# KiCad board rabbit_mask_capacitors_right.kicad_pcb (continued)
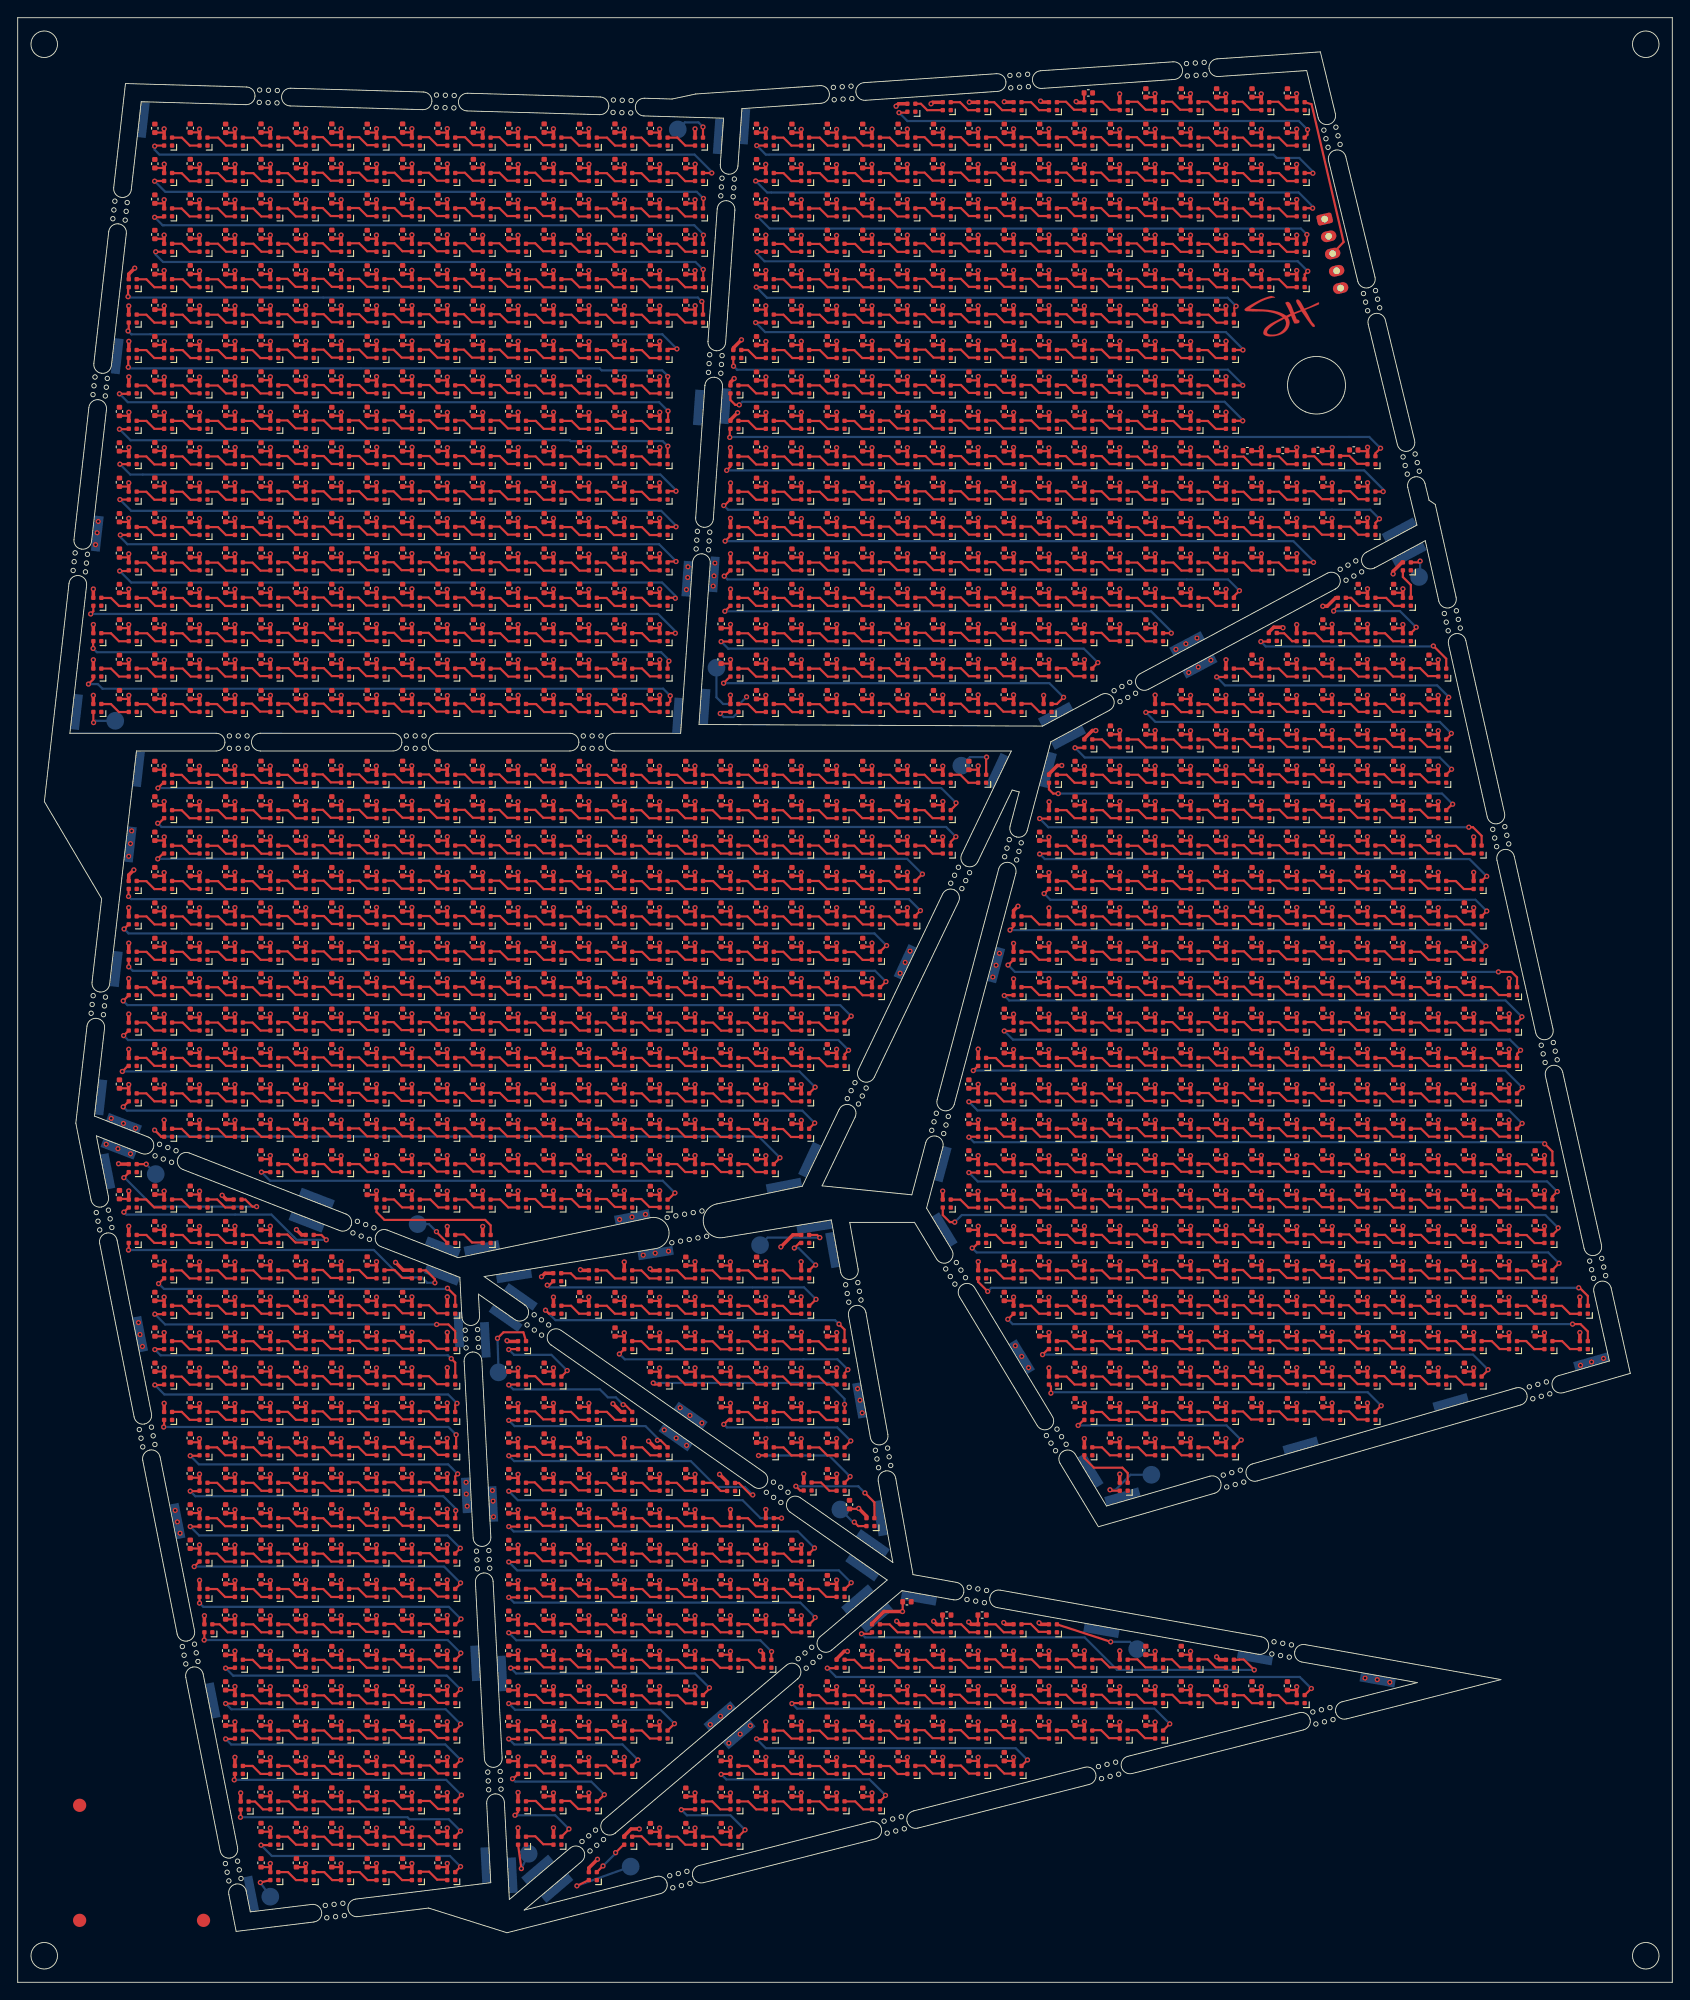
[diagram p0: board, top side]
## Routing (per net, layer and track width the routed paths; a pad name or vN(x,y) marks a point on that pad's centre or on a via; arc(x,y) is an arc through that point) (continued)
/right_side/9_IN: length 18.6
  Top w0.25: D1496.1 146.23,212.22 146.4,211.5 149.85,196.65 J1486.3
/right_side/9_OUT: length 5.2
  Bottom w0.25: TP1486.1 78.98,145.2 79.73,144.45 D1625.3
/right_side/10_IN: length 4.6
  Top w0.25: D1512.1 v1(77.45,209.65)
  Bottom w0.25: TP1493.1 75.4,210.18 76.93,210.18 v1(77.45,209.65)
/right_side/10_OUT: length 3.7
  Top w0.25: v1(8.57,142.35) 8.55,142.38 D2031.3
  Bottom w0.25: v1(8.57,142.35) 8.78,142.55 TP1485.1
/right_side/11_IN: length 3
  Top w0.25: v1(158.5,160.6) 158.35,160.45 D1925.1
  Bottom w0.25: v1(158.5,160.6) 158.5,158.93 TP1494.1
/right_side/11_OUT: length 6.5
  Top w0.25: v1(123.45,55.65) 123.55,55.55 D2759.3
  Bottom w0.25: v1(123.45,55.65) 124.07,55.65 125.77,57.35 TP1492.1
/right_side/12_IN: length 5.3
  Top w0.25: D2101.1 109.45,138.4 v1(109.5,138.45)
  Bottom w0.25: TP1495.1 107.62,138.45 v1(109.5,138.45)
/right_side/12_OUT: length 4.3
  Top w0.25: v1(47.32,84.82) 47.32,84.79 48.55,83.56 D2545.3
  Bottom w0.25: v1(47.32,84.82) 46.48,85.68 TP1487.1
/right_side/13_IN: length 8.4
  Top w0.25: D2547.1 90.35,84.45 v1(90.65,84.15)
  Bottom w0.25: v1(90.65,84.15) 84.75,84.15 TP1496.1
/right_side/13_OUT: length 3.7
  Top w0.25: v1(94.55,52) 95,51.55 D2776.3
  Bottom w0.25: TP1491.1 94.4,52 v1(94.55,52)
/right_side/14_IN: length 9.7
  Top w0.25: D2834.1 v1(123.52,38.47)
  Bottom w0.25: TP1499.1 125.7,38.47 v1(123.52,38.47)
/right_side/14_OUT: length 8
  Top w0.25: D2968.3 v1(63.2,10.9)
  Bottom w0.25: v1(63.2,10.9) TP1490.1
/right_side/15_IN: length 8.1
  Top w0.25: v1(54.23,72.78) 54.9,73.45 57.15,73.45 D2641.1
  Bottom w0.25: TP1498.1 v1(54.23,72.78)
/right_side/15_OUT: length 4.6
  Top w0.25: D2956.3 v1(56.93,12.85)
  Bottom w0.25: v1(56.93,12.85) TP1489.1
/right_side/16_IN: length 2.6
  Top w0.25: D2475.1 v1(14.53,92.45)
  Bottom w0.25: v1(14.53,92.45) TP1497.1
/right_side/16_OUT: length 3.1
  Top w0.25: D2962.3 v1(27.43,11.28)
  Bottom w0.25: v1(27.43,11.28) TP1488.1
Net-(D1485-DIN): length 3.4
  Top w0.25: D1485.1 102.07,212.28 102.8,211.55 104.53,211.55
Net-(D1485-DOUT): length 49
  Top w0.25: D1485.3 100.45,211.27 v1(99.6,211.27) ; v1(145.77,209.35) 145.77,208.78 D1528.1
  Bottom w0.25: v1(145.77,209.35) 144.8,210.32 100.55,210.32 v1(99.6,211.27)
Net-(D1486-DIN): length 3.5
  Top w0.25: 108.63,211.55 107.4,211.55 106.5,212.45 105.53,212.45
Net-(D1487-DIN): length 3.5
  Top w0.25: 109.53,212.45 110.37,212.45 111.26,211.55 112.63,211.55
Net-(D1488-DIN): length 3.5
  Top w0.25: 116.53,211.55 115.43,211.55 114.53,212.45 113.43,212.45
Net-(D1489-DIN): length 3.5
  Top w0.25: 120.48,211.6 119.38,211.6 118.48,212.5 117.38,212.5
Net-(D1490-DIN): length 3.5
  Top w0.25: 124.58,211.6 123.48,211.6 122.58,212.5 121.48,212.5
Net-(D1491-DIN): length 3.5
  Top w0.25: 125.48,212.5 126.58,212.5 127.48,211.6 128.58,211.6
Net-(D1492-DIN): length 3.5
  Top w0.25: 132.48,211.6 131.38,211.6 130.48,212.5 129.38,212.5
Net-(D1493-DIN): length 3.5
  Top w0.25: 136.53,211.6 135.43,211.6 134.53,212.5 133.43,212.5
Net-(D1494-DIN): length 3.5
  Top w0.25: 137.33,212.5 138.43,212.5 139.33,211.6 140.43,211.6
Net-(D1495-DIN): length 3.5
  Top w0.25: 141.38,212.5 142.48,212.5 143.38,211.6 144.48,211.6
Net-(D1497-DIN): length 3.5
  Top w0.25: D1498.3 19.45,207.55 18.55,208.45 D1497.1
Net-(D1497-DOUT): length 66.6
  Top w0.25: D1497.3 15.55,207.55 v1(15.48,207.48) ; v1(78.44,204.45) D1544.1
  Bottom w0.25: v1(78.44,204.45) 78.44,204.59 76.5,206.53 16.02,206.53 15.48,207.07 v1(15.48,207.48)
Net-(D1498-DIN): length 3.5
  Top w0.25: 24.65,207.55 23.55,207.55 22.65,208.45 21.55,208.45
Net-(D1499-DIN): length 3.5
  Top w0.25: 25.55,208.45 26.65,208.45 27.55,207.55 28.65,207.55
Net-(D1500-DIN): length 3.5
  Top w0.25: D1501.3 31.45,207.55 30.55,208.45 D1500.1
Net-(D1501-DIN): length 3.5
  Top w0.25: 36.5,207.6 35.4,207.6 34.5,208.5 33.4,208.5
Net-(D1502-DIN): length 3.5
  Top w0.25: 40.6,207.6 39.5,207.6 38.6,208.5 37.5,208.5
Net-(D1503-DIN): length 3.5
  Top w0.25: 41.5,208.5 42.6,208.5 43.5,207.6 44.6,207.6
Net-(D1504-DIN): length 3.5
  Top w0.25: 45.4,208.5 46.5,208.5 47.4,207.6 48.5,207.6
Net-(D1505-DIN): length 3.5
  Top w0.25: 52.55,207.6 51.45,207.6 50.55,208.5 49.45,208.5
Net-(D1506-DIN): length 3.5
  Top w0.25: 53.35,208.5 54.45,208.5 55.35,207.6 56.45,207.6
Net-(D1507-DIN): length 3.5
  Top w0.25: 60.5,207.6 59.4,207.6 58.5,208.5 57.4,208.5
Net-(D1508-DIN): length 3.5
  Top w0.25: D1509.3 63.45,207.55 62.55,208.45 D1508.1
Net-(D1509-DIN): length 3.5
  Top w0.25: 68.6,207.55 67.5,207.55 66.6,208.45 65.5,208.45
Net-(D1510-DIN): length 3.5
  Top w0.25: 72.5,207.55 71.4,207.55 70.5,208.45 69.4,208.45
Net-(D1511-DIN): length 3.5
  Top w0.25: D1512.3 75.45,207.55 74.55,208.45 D1511.1
Net-(D1513-DIN): length 3.5
  Top w0.25: 85.44,208.45 86.54,208.45 87.44,207.55 88.54,207.55
Net-(D1513-DOUT): length 66.2
  Top w0.25: v1(83.52,207.55) D1513.3 ; v1(146.38,204.43) 146.35,204.45 D1560.1
  Bottom w0.25: v1(83.52,207.55) 84.55,206.53 141.93,206.53 142.3,206.15 144.84,206.15 146.38,204.62 v1(146.38,204.43)
Net-(D1514-DIN): length 3.5
  Top w0.25: 92.64,207.55 91.54,207.55 90.64,208.45 89.54,208.45
Net-(D1515-DIN): length 3.5
  Top w0.25: 93.54,208.45 94.64,208.45 95.54,207.55 96.64,207.55
Net-(D1516-DIN): length 3.5
  Top w0.25: 97.44,208.45 98.54,208.45 99.44,207.55 100.54,207.55
Net-(D1517-DIN): length 3.5
  Top w0.25: 101.39,208.5 102.49,208.5 103.39,207.6 104.49,207.6
Net-(D1518-DIN): length 3.5
  Top w0.25: 105.49,208.5 106.59,208.5 107.49,207.6 108.59,207.6
Net-(D1519-DIN): length 3.5
  Top w0.25: 112.59,207.6 111.49,207.6 110.59,208.5 109.49,208.5
Net-(D1520-DIN): length 3.5
  Top w0.25: 113.39,208.5 114.49,208.5 115.39,207.6 116.49,207.6
Net-(D1521-DIN): length 3.5
  Top w0.25: 120.54,207.6 119.44,207.6 118.54,208.5 117.44,208.5
Net-(D1522-DIN): length 3.5
  Top w0.25: 121.34,208.5 122.44,208.5 123.34,207.6 124.44,207.6
Net-(D1523-DIN): length 3.5
  Top w0.25: 128.49,207.6 127.39,207.6 126.49,208.5 125.39,208.5
Net-(D1524-DIN): length 3.5
  Top w0.25: 129.44,208.45 130.54,208.45 131.44,207.55 132.54,207.55
Net-(D1525-DIN): length 3.5
  Top w0.25: 133.49,208.45 134.59,208.45 135.49,207.55 136.59,207.55
Net-(D1526-DIN): length 3.5
  Top w0.25: 137.39,208.45 138.49,208.45 139.39,207.55 140.49,207.55
Net-(D1527-DIN): length 3.5
  Top w0.25: 144.54,207.55 143.44,207.55 142.54,208.45 141.44,208.45
Net-(D1529-DIN): length 3.5
  Top w0.25: 17.44,204.43 18.54,204.43 19.44,203.53 20.54,203.53
Net-(D1529-DOUT): length 65.1
  Top w0.25: D1529.3 15.5,203.55 v1(15.47,203.53) ; D1576.1 77.5,200.5 v1(77.5,201.57)
  Bottom w0.25: v1(77.5,201.57) 76.75,202.32 16.68,202.32 v1(15.47,203.53)
Net-(D1530-DIN): length 3.5
  Top w0.25: 21.54,204.43 22.64,204.43 23.54,203.53 24.64,203.53
Net-(D1531-DIN): length 3.5
  Top w0.25: 28.64,203.53 27.54,203.53 26.64,204.43 25.54,204.43
Net-(D1532-DIN): length 3.5
  Top w0.25: 29.44,204.43 30.54,204.43 31.44,203.53 32.54,203.53
Net-(D1533-DIN): length 3.5
  Top w0.25: 36.49,203.58 35.39,203.58 34.49,204.48 33.39,204.48
Net-(D1534-DIN): length 3.5
  Top w0.25: 40.59,203.58 39.49,203.58 38.59,204.48 37.49,204.48
Net-(D1535-DIN): length 3.5
  Top w0.25: 44.59,203.58 43.49,203.58 42.59,204.48 41.49,204.48
Net-(D1536-DIN): length 3.5
  Top w0.25: 48.49,203.58 47.39,203.58 46.49,204.48 45.39,204.48
Net-(D1537-DIN): length 3.5
  Top w0.25: 49.44,204.48 50.54,204.48 51.44,203.58 52.54,203.58
Net-(D1538-DIN): length 3.5
  Top w0.25: 53.34,204.48 54.44,204.48 55.34,203.58 56.44,203.58
Net-(D1539-DIN): length 3.5
  Top w0.25: 57.39,204.48 58.49,204.48 59.39,203.58 60.49,203.58
Net-(D1540-DIN): length 3.5
  Top w0.25: 64.54,203.53 63.44,203.53 62.54,204.43 61.44,204.43
Net-(D1541-DIN): length 3.5
  Top w0.25: 68.59,203.53 67.49,203.53 66.59,204.43 65.49,204.43
Net-(D1542-DIN): length 3.5
  Top w0.25: 72.49,203.53 71.39,203.53 70.49,204.43 69.39,204.43
Net-(D1543-DIN): length 3.5
  Top w0.25: 76.54,203.53 75.44,203.53 74.54,204.43 73.44,204.43
Net-(D1545-DIN): length 3.5
  Top w0.25: 88.55,203.54 87.45,203.54 86.55,204.44 85.45,204.44
Net-(D1545-DOUT): length 66.4
  Top w0.25: D1592.1 145.48,200.47 v1(146.35,200.47) ; D1545.3 v1(83.4,203.55)
  Bottom w0.25: v1(83.4,203.55) 84.7,202.25 144.77,202.25 146.35,200.67 v1(146.35,200.47)
Net-(D1546-DIN): length 3.5
  Top w0.25: 92.65,203.54 91.55,203.54 90.65,204.44 89.55,204.44
Net-(D1547-DIN): length 3.5
  Top w0.25: 93.55,204.44 94.65,204.44 95.55,203.54 96.65,203.54
Net-(D1548-DIN): length 3.5
  Top w0.25: 97.45,204.44 98.55,204.44 99.45,203.54 100.55,203.54
Net-(D1549-DIN): length 3.5
  Top w0.25: 104.5,203.59 103.4,203.59 102.5,204.49 101.4,204.49
Net-(D1550-DIN): length 3.5
  Top w0.25: 108.6,203.59 107.5,203.59 106.6,204.49 105.5,204.49
Net-(D1551-DIN): length 3.5
  Top w0.25: 112.6,203.59 111.5,203.59 110.6,204.49 109.5,204.49
Net-(D1552-DIN): length 3.5
  Top w0.25: 116.5,203.59 115.4,203.59 114.5,204.49 113.4,204.49
Net-(D1553-DIN): length 3.5
  Top w0.25: 117.45,204.49 118.55,204.49 119.45,203.59 120.55,203.59
Net-(D1554-DIN): length 3.5
  Top w0.25: 124.45,203.59 123.35,203.59 122.45,204.49 121.35,204.49
Net-(D1555-DIN): length 3.5
  Top w0.25: 128.5,203.59 127.4,203.59 126.5,204.49 125.4,204.49
Net-(D1556-DIN): length 3.5
  Top w0.25: 129.45,204.44 130.55,204.44 131.45,203.54 132.55,203.54
Net-(D1557-DIN): length 3.5
  Top w0.25: 136.6,203.54 135.5,203.54 134.6,204.44 133.5,204.44
Net-(D1558-DIN): length 3.5
  Top w0.25: 140.5,203.54 139.4,203.54 138.5,204.44 137.4,204.44
Net-(D1559-DIN): length 3.5
  Top w0.25: 141.45,204.44 142.55,204.44 143.45,203.54 144.55,203.54
Net-(D1561-DIN): length 3.5
  Top w0.25: 17.43,200.44 18.53,200.44 19.43,199.54 20.53,199.54
Net-(D1561-DOUT): length 65
  Top w0.25: v1(15.47,199.45) 16.45,199.45 D1561.3 ; D1608.1 77.45,197.38 v1(77.5,197.43)
  Bottom w0.25: v1(77.5,197.43) 77.5,197.51 76.46,198.55 16.38,198.55 v1(15.47,199.45)
Net-(D1562-DIN): length 3.5
  Top w0.25: 21.53,200.44 22.63,200.44 23.53,199.54 24.63,199.54
Net-(D1563-DIN): length 3.5
  Top w0.25: 25.53,200.44 26.63,200.44 27.53,199.54 28.63,199.54
Net-(D1564-DIN): length 3.5
  Top w0.25: 32.53,199.54 31.43,199.54 30.53,200.44 29.43,200.44
Net-(D1565-DIN): length 3.5
  Top w0.25: 36.48,199.59 35.38,199.59 34.48,200.49 33.38,200.49
Net-(D1566-DIN): length 3.5
  Top w0.25: 37.48,200.49 38.58,200.49 39.48,199.59 40.58,199.59
Net-(D1567-DIN): length 3.5
  Top w0.25: 41.48,200.49 42.58,200.49 43.48,199.59 44.58,199.59
Net-(D1568-DIN): length 3.5
  Top w0.25: 48.48,199.59 47.38,199.59 46.48,200.49 45.38,200.49
Net-(D1569-DIN): length 3.5
  Top w0.25: 52.53,199.59 51.43,199.59 50.53,200.49 49.43,200.49
Net-(D1570-DIN): length 3.5
  Top w0.25: 53.33,200.49 54.43,200.49 55.33,199.59 56.43,199.59
Net-(D1571-DIN): length 3.5
  Top w0.25: 60.48,199.59 59.38,199.59 58.48,200.49 57.38,200.49
Net-(D1572-DIN): length 3.5
  Top w0.25: 61.43,200.44 62.53,200.44 63.43,199.54 64.53,199.54
Net-(D1573-DIN): length 3.5
  Top w0.25: 65.48,200.44 66.58,200.44 67.48,199.54 68.58,199.54
Net-(D1574-DIN): length 3.5
  Top w0.25: 69.38,200.44 70.48,200.44 71.38,199.54 72.48,199.54
Net-(D1575-DIN): length 3.5
  Top w0.25: 76.53,199.54 75.43,199.54 74.53,200.44 73.43,200.44
Net-(D1577-DIN): length 3.5
  Top w0.25: 85.45,200.44 86.55,200.44 87.45,199.54 88.55,199.54
Net-(D1577-DOUT): length 65.1
  Top w0.25: D1624.1 145.7,196.7 v1(145.7,197.5) ; v1(83.6,199.55) D1577.3
  Bottom w0.25: v1(145.7,197.5) 145.02,198.18 84.98,198.18 v1(83.6,199.55)
Net-(D1578-DIN): length 3.5
  Top w0.25: 92.65,199.54 91.55,199.54 90.65,200.44 89.55,200.44
Net-(D1579-DIN): length 3.5
  Top w0.25: 93.55,200.44 94.65,200.44 95.55,199.54 96.65,199.54
Net-(D1580-DIN): length 3.5
  Top w0.25: 97.45,200.44 98.55,200.44 99.45,199.54 100.55,199.54
Net-(D1581-DIN): length 3.5
  Top w0.25: 101.4,200.49 102.5,200.49 103.4,199.59 104.5,199.59
Net-(D1582-DIN): length 3.5
  Top w0.25: 108.6,199.59 107.5,199.59 106.6,200.49 105.5,200.49
Net-(D1583-DIN): length 3.5
  Top w0.25: 112.6,199.59 111.5,199.59 110.6,200.49 109.5,200.49
Net-(D1584-DIN): length 3.5
  Top w0.25: 113.4,200.49 114.5,200.49 115.4,199.59 116.5,199.59
Net-(D1585-DIN): length 3.5
  Top w0.25: 117.45,200.49 118.55,200.49 119.45,199.59 120.55,199.59
Net-(D1586-DIN): length 3.5
  Top w0.25: 121.35,200.49 122.45,200.49 123.35,199.59 124.45,199.59
Net-(D1587-DIN): length 3.5
  Top w0.25: 128.5,199.59 127.4,199.59 126.5,200.49 125.4,200.49
Net-(D1588-DIN): length 3.5
  Top w0.25: 129.45,200.44 130.55,200.44 131.45,199.54 132.55,199.54
Net-(D1589-DIN): length 3.5
  Top w0.25: 133.5,200.44 134.6,200.44 135.5,199.54 136.6,199.54
Net-(D1590-DIN): length 3.5
  Top w0.25: 140.5,199.54 139.4,199.54 138.5,200.44 137.4,200.44
Net-(D1591-DIN): length 3.5
  Top w0.25: 144.55,199.54 143.45,199.54 142.55,200.44 141.45,200.44
Net-(D1593-DIN): length 3.5
  Top w0.25: 20.54,195.56 19.44,195.56 18.54,196.46 17.44,196.46
Net-(D1593-DOUT): length 65
  Top w0.25: v1(77.48,193.55) 77.48,192.47 D1642.1 ; D1593.3 v1(15.6,195.55)
  Bottom w0.25: v1(77.48,193.55) 77.45,193.55 76.6,194.4 16.43,194.4 15.6,195.22 v1(15.6,195.55)
Net-(D1594-DIN): length 3.5
  Top w0.25: 21.54,196.46 22.64,196.46 23.54,195.56 24.64,195.56
Net-(D1595-DIN): length 3.5
  Top w0.25: 28.64,195.56 27.54,195.56 26.64,196.46 25.54,196.46
Net-(D1596-DIN): length 3.5
  Top w0.25: 32.54,195.56 31.44,195.56 30.54,196.46 29.44,196.46
Net-(D1597-DIN): length 3.5
  Top w0.25: 36.49,195.61 35.39,195.61 34.49,196.51 33.39,196.51
Net-(D1598-DIN): length 3.5
  Top w0.25: 37.49,196.51 38.59,196.51 39.49,195.61 40.59,195.61
Net-(D1599-DIN): length 3.5
  Top w0.25: 44.59,195.61 43.49,195.61 42.59,196.51 41.49,196.51
Net-(D1600-DIN): length 3.5
  Top w0.25: 45.39,196.51 46.49,196.51 47.39,195.61 48.49,195.61
Net-(D1601-DIN): length 3.5
  Top w0.25: 49.44,196.51 50.54,196.51 51.44,195.61 52.54,195.61
Net-(D1602-DIN): length 3.5
  Top w0.25: 53.34,196.51 54.44,196.51 55.34,195.61 56.44,195.61
Net-(D1603-DIN): length 3.5
  Top w0.25: 60.49,195.61 59.39,195.61 58.49,196.51 57.39,196.51
Net-(D1604-DIN): length 3.5
  Top w0.25: 61.44,196.46 62.54,196.46 63.44,195.56 64.54,195.56
Net-(D1605-DIN): length 3.5
  Top w0.25: 68.59,195.56 67.49,195.56 66.59,196.46 65.49,196.46
Net-(D1606-DIN): length 3.5
  Top w0.25: 72.49,195.56 71.39,195.56 70.49,196.46 69.39,196.46
Net-(D1607-DIN): length 3.5
  Top w0.25: 73.44,196.46 74.54,196.46 75.44,195.56 76.54,195.56
Net-(D1609-DIN): length 3.5
  Top w0.25: 88.54,195.54 87.44,195.54 86.54,196.44 85.44,196.44
Net-(D1609-DOUT): length 65.3
  Top w0.25: D1609.3 v1(83.57,195.55) ; D1658.1 145.45,193 v1(145.8,193.35)
  Bottom w0.25: v1(145.8,193.35) 144.68,194.47 84.4,194.47 83.57,195.3 v1(83.57,195.55)
Net-(D1610-DIN): length 3.5
  Top w0.25: 89.54,196.44 90.64,196.44 91.54,195.54 92.64,195.54
Net-(D1611-DIN): length 3.5
  Top w0.25: 93.54,196.44 94.64,196.44 95.54,195.54 96.64,195.54
Net-(D1612-DIN): length 3.5
  Top w0.25: 97.44,196.44 98.54,196.44 99.44,195.54 100.54,195.54
Net-(D1613-DIN): length 3.5
  Top w0.25: 101.39,196.49 102.49,196.49 103.39,195.59 104.49,195.59
Net-(D1614-DIN): length 3.5
  Top w0.25: 108.59,195.59 107.49,195.59 106.59,196.49 105.49,196.49
Net-(D1615-DIN): length 3.5
  Top w0.25: 112.59,195.59 111.49,195.59 110.59,196.49 109.49,196.49
Net-(D1616-DIN): length 3.5
  Top w0.25: 113.39,196.49 114.49,196.49 115.39,195.59 116.49,195.59
Net-(D1617-DIN): length 3.5
  Top w0.25: 117.44,196.49 118.54,196.49 119.44,195.59 120.54,195.59
Net-(D1618-DIN): length 3.5
  Top w0.25: 121.34,196.49 122.44,196.49 123.34,195.59 124.44,195.59
Net-(D1619-DIN): length 3.5
  Top w0.25: 128.49,195.59 127.39,195.59 126.49,196.49 125.39,196.49
Net-(D1620-DIN): length 3.5
  Top w0.25: 132.54,195.54 131.44,195.54 130.54,196.44 129.44,196.44
Net-(D1621-DIN): length 3.5
  Top w0.25: 136.59,195.54 135.49,195.54 134.59,196.44 133.49,196.44
Net-(D1622-DIN): length 3.5
  Top w0.25: 137.39,196.44 138.49,196.44 139.39,195.54 140.49,195.54
Net-(D1623-DIN): length 3.5
  Top w0.25: 144.54,195.54 143.44,195.54 142.54,196.44 141.44,196.44
Net-(D1625-DIN): length 3.7
  Top w0.25: v1(79.4,143.38) 79.57,143.55 D2048.3 80.5,143.5
  Bottom w0.25: v1(79.4,143.38) 79.8,142.97 80.88,142.97 D1625.1
Net-(D1626-DIN): length 3.5
  Top w0.25: 13.45,192.44 14.55,192.44 15.45,191.54 16.55,191.54
Net-(D1626-DOUT): length 67.7
  Top w0.25: D1676.1 77.45,189.8 v1(77.32,189.93) ; v1(12.47,190.47) 12.47,191.47 D1626.3
  Bottom w0.25: v1(12.47,190.47) 12.57,190.38 76.87,190.38 v1(77.32,189.93)
Net-(D1627-DIN): length 3.5
  Top w0.25: 20.65,191.54 19.55,191.54 18.65,192.44 17.55,192.44
Net-(D1628-DIN): length 3.5
  Top w0.25: 21.55,192.44 22.65,192.44 23.55,191.54 24.65,191.54
Net-(D1629-DIN): length 3.5
  Top w0.25: 28.55,191.54 27.45,191.54 26.55,192.44 25.45,192.44
Net-(D1630-DIN): length 3.5
  Top w0.25: 32.5,191.59 31.4,191.59 30.5,192.49 29.4,192.49
Net-(D1631-DIN): length 3.5
  Top w0.25: 36.6,191.59 35.5,191.59 34.6,192.49 33.5,192.49
Net-(D1632-DIN): length 3.5
  Top w0.25: 40.6,191.59 39.5,191.59 38.6,192.49 37.5,192.49
Net-(D1633-DIN): length 3.5
  Top w0.25: 44.5,191.59 43.4,191.59 42.5,192.49 41.4,192.49
Net-(D1634-DIN): length 3.5
  Top w0.25: 45.45,192.49 46.55,192.49 47.45,191.59 48.55,191.59
Net-(D1635-DIN): length 3.5
  Top w0.25: 52.45,191.59 51.35,191.59 50.45,192.49 49.35,192.49
Net-(D1636-DIN): length 3.5
  Top w0.25: 56.5,191.59 55.4,191.59 54.5,192.49 53.4,192.49
Net-(D1637-DIN): length 3.5
  Top w0.25: 60.55,191.54 59.45,191.54 58.55,192.44 57.45,192.44
Net-(D1638-DIN): length 3.5
  Top w0.25: 61.5,192.44 62.6,192.44 63.5,191.54 64.6,191.54
Net-(D1639-DIN): length 3.5
  Top w0.25: 68.5,191.54 67.4,191.54 66.5,192.44 65.4,192.44
Net-(D1640-DIN): length 3.5
  Top w0.25: 69.45,192.44 70.55,192.44 71.45,191.54 72.55,191.54
Net-(D1641-DIN): length 3.5
  Top w0.25: 73.44,192.44 74.54,192.44 75.44,191.54 76.54,191.54
Net-(D1643-DIN): length 3.5
  Top w0.25: 88.55,191.54 87.45,191.54 86.55,192.44 85.45,192.44
Net-(D1643-DOUT): length 57.2
  Top w0.25: D1690.1 137.5,188.5 137.5,189.2 v1(137.7,189.4) ; v1(83.48,191.55) D1643.3
  Bottom w0.25: v1(83.48,191.55) 84.68,190.35 136.75,190.35 v1(137.7,189.4)
Net-(D1644-DIN): length 3.5
  Top w0.25: 92.65,191.54 91.55,191.54 90.65,192.44 89.55,192.44
Net-(D1645-DIN): length 3.5
  Top w0.25: 93.55,192.44 94.65,192.44 95.55,191.54 96.65,191.54
Net-(D1646-DIN): length 3.5
  Top w0.25: 100.55,191.54 99.45,191.54 98.55,192.44 97.45,192.44
Net-(D1647-DIN): length 3.5
  Top w0.25: 104.5,191.59 103.4,191.59 102.5,192.49 101.4,192.49
Net-(D1648-DIN): length 3.5
  Top w0.25: 105.5,192.49 106.6,192.49 107.5,191.59 108.6,191.59
Net-(D1649-DIN): length 3.5
  Top w0.25: 112.6,191.59 111.5,191.59 110.6,192.49 109.5,192.49
Net-(D1650-DIN): length 3.5
  Top w0.25: 113.4,192.49 114.5,192.49 115.4,191.59 116.5,191.59
Net-(D1651-DIN): length 3.5
  Top w0.25: 120.55,191.59 119.45,191.59 118.55,192.49 117.45,192.49
Net-(D1652-DIN): length 3.5
  Top w0.25: 121.35,192.49 122.45,192.49 123.35,191.59 124.45,191.59
Net-(D1653-DIN): length 3.5
  Top w0.25: 128.5,191.59 127.4,191.59 126.5,192.49 125.4,192.49
Net-(D1654-DIN): length 3.5
  Top w0.25: 132.55,191.54 131.45,191.54 130.55,192.44 129.45,192.44
Net-(D1655-DIN): length 3.5
  Top w0.25: 136.6,191.54 135.5,191.54 134.6,192.44 133.5,192.44
Net-(D1656-DIN): length 3.5
  Top w0.25: 137.4,192.44 138.5,192.44 139.4,191.54 140.5,191.54
Net-(D1657-DIN): length 3.5
  Top w0.25: 141.45,192.44 142.55,192.44 143.45,191.54 144.55,191.54
Net-(D1660-DIN): length 3.5
  Top w0.25: 16.54,187.54 15.44,187.54 14.54,188.44 13.44,188.44
Net-(D1660-DOUT): length 64.9
  Top w0.25: D1709.1 73.57,184.57 v1(74.5,184.57) ; D1660.3 12.55,186.68 v1(12.47,186.6)
  Bottom w0.25: v1(74.5,184.57) 72.85,186.22 12.85,186.22 v1(12.47,186.6)
Net-(D1661-DIN): length 3.5
  Top w0.25: 17.54,188.44 18.64,188.44 19.54,187.54 20.64,187.54
Net-(D1662-DIN): length 3.5
  Top w0.25: 21.54,188.44 22.64,188.44 23.54,187.54 24.64,187.54
Net-(D1663-DIN): length 3.5
  Top w0.25: 28.54,187.54 27.44,187.54 26.54,188.44 25.44,188.44
Net-(D1664-DIN): length 3.5
  Top w0.25: 29.39,188.49 30.49,188.49 31.39,187.59 32.49,187.59
Net-(D1665-DIN): length 3.5
  Top w0.25: 36.59,187.59 35.49,187.59 34.59,188.49 33.49,188.49
Net-(D1666-DIN): length 3.5
  Top w0.25: 40.59,187.59 39.49,187.59 38.59,188.49 37.49,188.49
Net-(D1667-DIN): length 3.5
  Top w0.25: 41.39,188.49 42.49,188.49 43.39,187.59 44.49,187.59
Net-(D1668-DIN): length 3.5
  Top w0.25: 48.54,187.59 47.44,187.59 46.54,188.49 45.44,188.49
Net-(D1669-DIN): length 3.5
  Top w0.25: 52.44,187.59 51.34,187.59 50.44,188.49 49.34,188.49
Net-(D1670-DIN): length 3.5
  Top w0.25: 56.49,187.59 55.39,187.59 54.49,188.49 53.39,188.49
Net-(D1671-DIN): length 3.5
  Top w0.25: 57.44,188.44 58.54,188.44 59.44,187.54 60.54,187.54
Net-(D1672-DIN): length 3.5
  Top w0.25: 61.49,188.44 62.59,188.44 63.49,187.54 64.59,187.54
Net-(D1673-DIN): length 3.5
  Top w0.25: 68.49,187.54 67.39,187.54 66.49,188.44 65.39,188.44
Net-(D1674-DIN): length 3.5
  Top w0.25: 69.44,188.44 70.54,188.44 71.44,187.54 72.54,187.54
Net-(D1675-DIN): length 3.5
  Top w0.25: 76.53,187.55 75.43,187.55 74.53,188.45 73.43,188.45
Net-(D1677-DIN): length 3.5
  Top w0.25: 85.44,188.44 86.54,188.44 87.44,187.54 88.54,187.54
Net-(D1677-DOUT): length 58.6
  Top w0.25: v1(138.48,184.45) D1724.1 ; D1677.3 v1(83.4,187.55)
  Bottom w0.25: v1(138.48,184.45) 138.48,184.55 136.55,186.47 84.48,186.47 v1(83.4,187.55)
Net-(D1678-DIN): length 3.5
  Top w0.25: 89.54,188.44 90.64,188.44 91.54,187.54 92.64,187.54
Net-(D1679-DIN): length 3.5
  Top w0.25: 93.54,188.44 94.64,188.44 95.54,187.54 96.64,187.54
Net-(D1680-DIN): length 3.5
  Top w0.25: 97.44,188.44 98.54,188.44 99.44,187.54 100.54,187.54
Net-(D1681-DIN): length 3.5
  Top w0.25: 101.39,188.49 102.49,188.49 103.39,187.59 104.49,187.59
Net-(D1682-DIN): length 3.5
  Top w0.25: 105.49,188.49 106.59,188.49 107.49,187.59 108.59,187.59
Net-(D1683-DIN): length 3.5
  Top w0.25: 112.59,187.59 111.49,187.59 110.59,188.49 109.49,188.49
Net-(D1684-DIN): length 3.5
  Top w0.25: 116.49,187.59 115.39,187.59 114.49,188.49 113.39,188.49
Net-(D1685-DIN): length 3.5
  Top w0.25: 117.44,188.49 118.54,188.49 119.44,187.59 120.54,187.59
Net-(D1686-DIN): length 3.5
  Top w0.25: 124.44,187.59 123.34,187.59 122.44,188.49 121.34,188.49
Net-(D1687-DIN): length 3.5
  Top w0.25: 128.49,187.59 127.39,187.59 126.49,188.49 125.39,188.49
Net-(D1688-DIN): length 3.5
  Top w0.25: 132.54,187.54 131.44,187.54 130.54,188.44 129.44,188.44
Net-(D1689-DIN): length 3.5
  Top w0.25: 133.49,188.44 134.59,188.44 135.49,187.54 136.59,187.54
Net-(D1694-DIN): length 3.5
  Top w0.25: 13.44,184.44 14.54,184.44 15.44,183.54 16.54,183.54
Net-(D1694-DOUT): length 63.5
  Top w0.25: D1694.3 12.5,183.5 v1(12.5,182.5) ; D1740.1 73.45,181.44 v1(73.46,181.45)
  Bottom w0.25: v1(12.5,182.5) 12.62,182.38 65.77,182.38 66,182.15 72.85,182.15 73.46,181.54 v1(73.46,181.45)
Net-(D1695-DIN): length 3.5
  Top w0.25: 20.64,183.54 19.54,183.54 18.64,184.44 17.54,184.44
Net-(D1696-DIN): length 3.5
  Top w0.25: 24.64,183.54 23.54,183.54 22.64,184.44 21.54,184.44
Net-(D1697-DIN): length 3.5
  Top w0.25: 25.44,184.44 26.54,184.44 27.44,183.54 28.54,183.54
Net-(D1698-DIN): length 3.5
  Top w0.25: 32.49,183.59 31.39,183.59 30.49,184.49 29.39,184.49
Net-(D1699-DIN): length 3.5
  Top w0.25: 36.59,183.59 35.49,183.59 34.59,184.49 33.49,184.49
Net-(D1700-DIN): length 3.5
  Top w0.25: 37.49,184.49 38.59,184.49 39.49,183.59 40.59,183.59
Net-(D1701-DIN): length 3.5
  Top w0.25: 44.49,183.59 43.39,183.59 42.49,184.49 41.39,184.49
Net-(D1702-DIN): length 3.5
  Top w0.25: 48.54,183.59 47.44,183.59 46.54,184.49 45.44,184.49
Net-(D1703-DIN): length 3.5
  Top w0.25: 49.34,184.49 50.44,184.49 51.34,183.59 52.44,183.59
Net-(D1704-DIN): length 3.5
  Top w0.25: 56.49,183.59 55.39,183.59 54.49,184.49 53.39,184.49
Net-(D1705-DIN): length 3.5
  Top w0.25: 60.54,183.54 59.44,183.54 58.54,184.44 57.44,184.44
Net-(D1706-DIN): length 3.5
  Top w0.25: 64.59,183.54 63.49,183.54 62.59,184.44 61.49,184.44
Net-(D1707-DIN): length 3.5
  Top w0.25: 68.49,183.54 67.39,183.54 66.49,184.44 65.39,184.44
Net-(D1708-DIN): length 3.5
  Top w0.25: 72.54,183.54 71.44,183.54 70.54,184.44 69.44,184.44
Net-(D1710-DIN): length 3.2
  Top w0.25: 84.55,183.54 83.45,183.54 82.54,184.45 D1710.1
Net-(D1710-DOUT): length 60.5
  Top w0.25: D1710.3 80.88,182.65 v1(80.9,182.62) ; D1755.1 v1(138.45,180.45)
  Bottom w0.25: v1(138.45,180.45) 138.45,180.56 136.79,182.22 81.3,182.22 v1(80.9,182.62)
Net-(D1711-DIN): length 3.5
  Top w0.25: 88.65,183.54 87.55,183.54 86.65,184.44 85.55,184.44
Net-(D1712-DIN): length 3.5
  Top w0.25: 89.55,184.44 90.65,184.44 91.55,183.54 92.65,183.54
Net-(D1713-DIN): length 3.5
  Top w0.25: 96.55,183.54 95.45,183.54 94.55,184.44 93.45,184.44
Net-(D1714-DIN): length 3.5
  Top w0.25: 100.5,183.59 99.4,183.59 98.5,184.49 97.4,184.49
Net-(D1715-DIN): length 3.5